# KiCad board Original.kicad_pcb
title: Sinclair QL Gold Card 3; date: 2024-04-14; rev: 0.0; company: Alvaro Alea; note: Based on schematic from tetroid; note: Licensed under Cern OHL-S - https://ohwr.org/cern_ohl_s_v2.txt
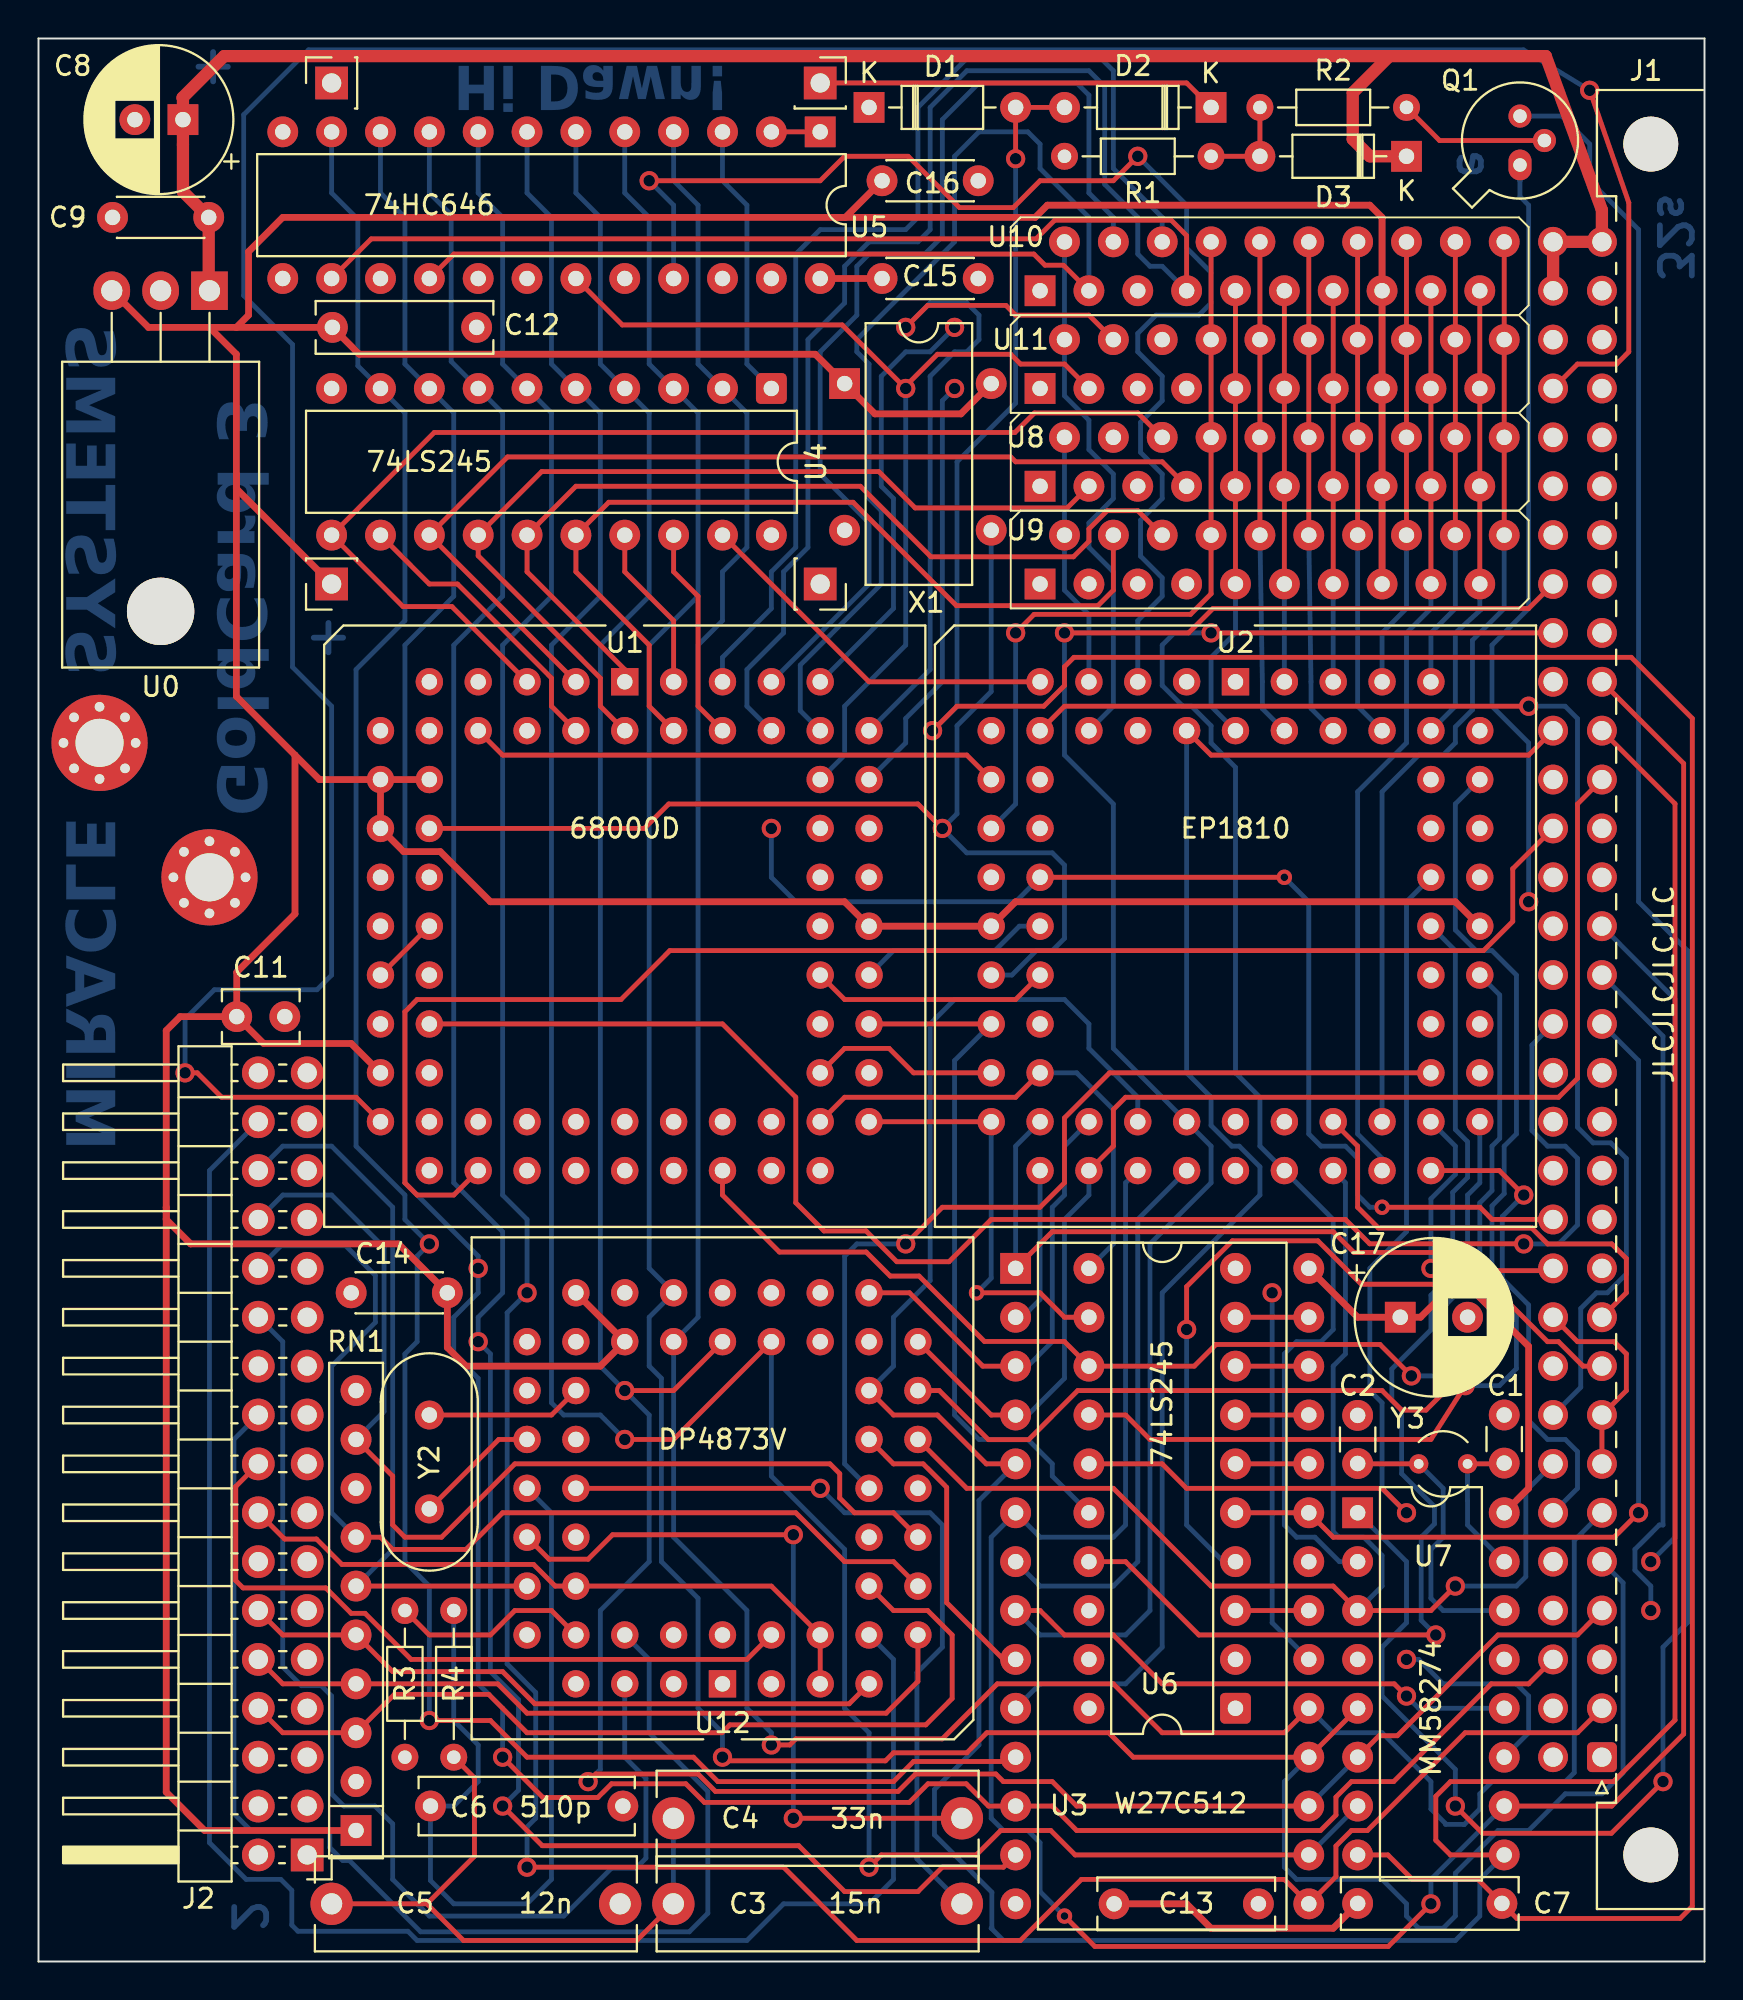
[diagram p0: board, top side]
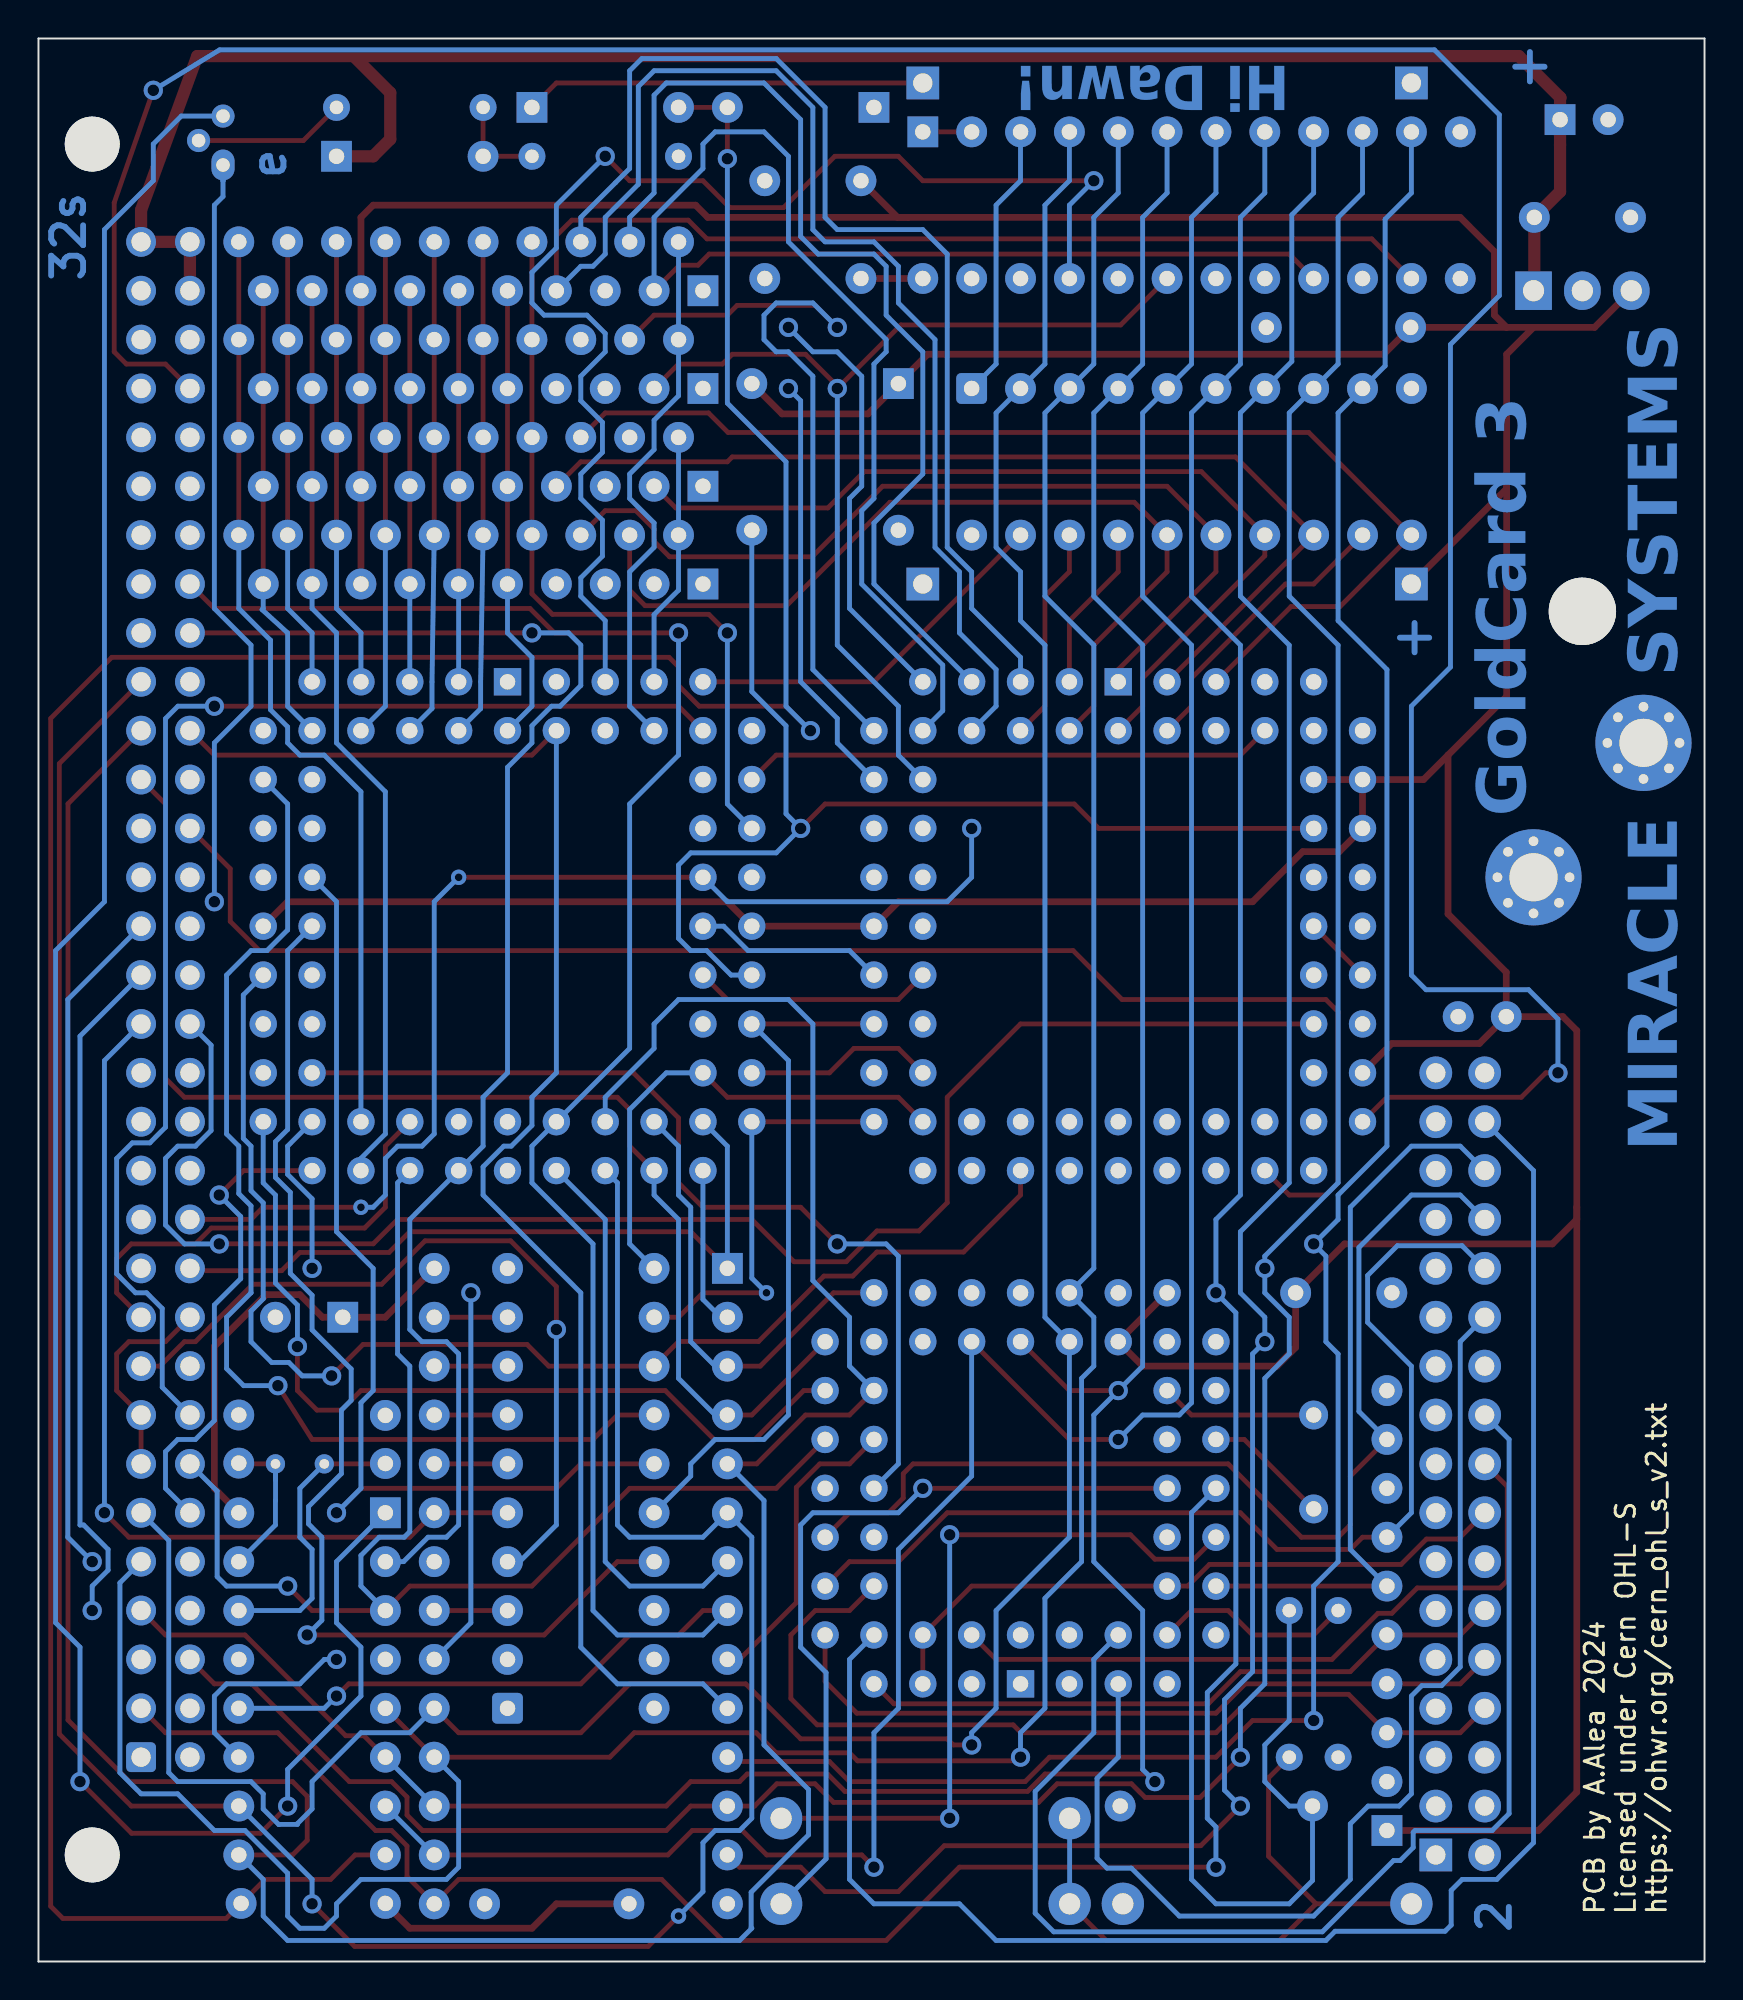
[diagram p1: board, bottom side, seen from below]

Outline 86.61 x 99.92 mm; copper layers: Top, In1.Cu, In2.Cu, Bottom. Coordinates in mm from the lower left corner of the outline.
Outline path: 0,99.92 86.61,99.92 86.61,0 0,0 0,99.92
Stack: Top 0.035mm / dielectric 0.1mm FR4 er 4.5 / In1.Cu 0.035mm / dielectric 1.24mm FR4 er 4.5 / In2.Cu 0.035mm / dielectric 0.1mm FR4 er 4.5 / Bottom 0.035mm

## Placement (name value [footprint] x y rotation side)
C1  22p  [C_Disc_D3.0mm_W1.6mm_P2.50mm]  76.2 25.9 90 top
C2  22p  [C_Disc_D3.0mm_W1.6mm_P2.50mm]  68.58 25.88 90 top
C3  15n  [C_Rect_L16.5mm_W4.7mm_P15.00mm_MKT]  48.01 3 180 top
C4  33n  [C_Rect_L16.5mm_W4.7mm_P15.00mm_MKT]  48.01 7.44 180 top
C5  12n  [C_Rect_L16.5mm_W4.7mm_P15.00mm_MKT]  15.24 3 0 top
C6  510p  [C_Rect_L11.0mm_W2.8mm_P10.00mm_MKT]  20.38 8.08 0 top
C7  100n  [C_Rect_L9.0mm_W2.5mm_P7.50mm_MKT]  68.58 3.02 0 top
C8  C_Polarized  [CP_Radial_D7.5mm_P2.50mm]  7.51 95.71 180 top
C9  330n  [C_Disc_D4.3mm_W1.9mm_P5.00mm]  8.85 90.63 180 top
C11  C330n  [C_Disc_D3.8mm_W2.6mm_P2.50mm]  10.31 49.1 0 top
C12  C330n  [C_Rect_L9.0mm_W2.5mm_P7.50mm_MKT]  15.28 84.91 0 top
C13  C330n  [C_Rect_L9.0mm_W2.5mm_P7.50mm_MKT]  55.92 3 0 top
C14  C330n  [C_Disc_D4.3mm_W1.9mm_P5.00mm]  21.26 34.75 180 top
C15  C330n  [C_Disc_D4.3mm_W1.9mm_P5.00mm]  43.85 87.45 0 top
C16  330n  [C_Disc_D4.3mm_W1.9mm_P5.00mm]  43.85 92.53 0 top
C17  C_Polarized  [CP_Radial_D8.0mm_P3.50mm]  70.79 33.48 0 top
D1  BAT42  [D_DO-35_SOD27_P7.62mm_Horizontal]  43.18 96.34 0 top
D2  BAT42  [D_DO-35_SOD27_P7.62mm_Horizontal]  60.96 96.34 180 top
D3  BAT42  [D_DO-35_SOD27_P7.62mm_Horizontal]  71.12 93.8 180 top
H1  MountingHole_Pad  [MountingHole_2.5mm_Pad_Via]  3.18 63.32 0 top
H2  MountingHole_Pad  [MountingHole_2.5mm_Pad_Via]  8.89 56.34 0 top
J1  QL_SLOT_DIN41612  [DIN41612_B_2x32_Female_Horizontal_THT]  81.28 10.62 270 top
J2  Conn_02x17_Odd_Even  [PinHeader_2x17_P2.54mm_Horizontal]  13.97 5.54 180 top
J3  -  [PinSocket_1x01_P2.54mm_Vertical]  40.64 97.61 0 top
J4  +  [PinSocket_1x01_P2.54mm_Vertical]  15.24 71.58 180 top
J5  nc  [PinSocket_1x01_P2.54mm_Vertical]  40.64 71.58 270 top
J6  nc  [PinSocket_1x01_P2.54mm_Vertical]  15.24 97.61 90 top
Q1  BC548  [TO-18-3]  77.02 93.35 90 top
R1  1k  [R_Axial_DIN0204_L3.6mm_D1.6mm_P7.62mm_Horizontal#2]  53.34 93.8 0 top
R2  1k  [R_Axial_DIN0204_L3.6mm_D1.6mm_P7.62mm_Horizontal#2]  63.5 96.34 0 top
R3  5K6  [R_Axial_DIN0204_L3.6mm_D1.6mm_P7.62mm_Horizontal]  19.05 18.24 270 top
R4  560  [R_Axial_DIN0204_L3.6mm_D1.6mm_P7.62mm_Horizontal#2]  21.59 18.24 270 top
RN1  9x1K  [R_Array_SIP10]  16.51 6.81 90 top
U0  LM340T-5  [TO-220-3_Horizontal_TabDown]  8.89 86.82 180 top
U1  68000D  [PLCC-68_THT-Socket]  30.48 66.5 0 top
U2  EP1810  [PLCC-68_THT-Socket]  62.23 66.5 0 top
U3  W27C512  [DIP-28_W15.24mm]  50.8 36.02 0 top
U4  74LS245  [DIP-20_W7.62mm]  38.1 81.74 270 top
U5  74HC646  [DIP-24_W7.62mm]  40.64 95.07 270 top
U6  74LS245  [DIP-20_W7.62mm]  62.23 13.16 180 top
U7  MM58274  [DIP-16_W7.62mm]  68.58 23.32 0 top
U8  MSM514400D  [ZIP-20_W5.08mm]  52.07 76.66 90 top
U9  MSM514400D  [ZIP-20_W5.08mm]  52.07 71.58 90 top
U10  MSM514400D  [ZIP-20_W5.08mm]  52.07 86.82 90 top
U11  MSM514400D  [ZIP-20_W5.08mm]  52.07 81.74 90 top
U12  DP4873V  [PLCC-52_THT-Socket]  35.56 14.43 180 top
X1  CXO_DIP8  [Oscillator_SeikoEpson_SG-8002DC]  41.91 81.99 0 top
Y2  Crystal  [Crystal_HC49-U_Vertical]  20.32 28.4 270 top
Y3  32768Hz  [Crystal_AT310_D3.0mm_L10.0mm_Vertical]  71.75 25.86 0 top

## Library data of the parts
C1-C7 C9 C11-C16 = -: ki_fp_filters: C_*
C8 C17 = -: ki_fp_filters: CP_*
D1-D3 = -: Datasheet: http://www.vishay.com/docs/85660/bat42.pdf; ki_fp_filters: D*DO?35*
H1 H2 = -: ki_fp_filters: MountingHole*Pad*
J1 = -: ki_fp_filters: DIN41612*2x*
J2 = -: ki_fp_filters: Connector*:*_2x??_*
J3-J6 = -: ki_fp_filters: Connector*:*_1x??_*
Q1 = -: Datasheet: http://www.farnell.com/datasheets/296634.pdf; ki_fp_filters: TO?18*
R1-R4 = -: ki_fp_filters: R_*
RN1 = -: Datasheet: http://www.vishay.com/docs/31509/csc.pdf; ki_fp_filters: R?Array?SIP*
U0 = -: Datasheet: http://www.st.com/content/ccc/resource/technical/document/datasheet/41/4f/b3/b0/12/d4/47/88/CD00000444.pdf/files/CD00000444.pdf/jcr:content/translations/en.CD00000444.pdf; ki_fp_filters: TO?252* TO?263* TO?220*
U1 = -: Datasheet: https://www.nxp.com/docs/en/reference-manual/MC68000UM.pdf; ki_fp_filters: PLCC*
U4 U6 = -: Datasheet: http://www.ti.com/lit/gpn/sn74LS245; ki_fp_filters: DIP?20*
U7 = -: ki_fp_filters: DIP*W15.24mm*
U12 = -: Description: Floppy Disc Controller; ki_fp_filters: DIP*W15.24mm*
X1 = -: Datasheet: http://cdn-reichelt.de/documents/datenblatt/B400/OSZI.pdf; ki_fp_filters: Oscillator*DIP*8*
Y2 Y3 = -: ki_fp_filters: Crystal*

## Footprints (pads in the part's own frame, mm; a bottom-side part is the same pattern mirrored in y, then rotated)
C_Disc_D3.0mm_W1.6mm_P2.50mm
  round 1.6 hole 0.8: 1(0,0) 2(2.5,0)
C_Disc_D3.8mm_W2.6mm_P2.50mm
  round 1.6 hole 0.8: 1(0,0) 2(2.5,0)
C_Disc_D4.3mm_W1.9mm_P5.00mm
  round 1.6 hole 0.8: 1(0,0) 2(5,0)
C_Rect_L9.0mm_W2.5mm_P7.50mm_MKT
  round 1.6 hole 0.8: 1(0,0) 2(7.5,0)
C_Rect_L11.0mm_W2.8mm_P10.00mm_MKT
  round 1.6 hole 0.8: 1(0,0) 2(10,0)
C_Rect_L16.5mm_W4.7mm_P15.00mm_MKT
  round 2.2 hole 1.1: 1(0,0) 2(15,0)
CP_Radial_D7.5mm_P2.50mm
  rect 1.6x1.6 hole 0.8: 1(0,0)
  round 1.6 hole 0.8: 2(2.5,0)
CP_Radial_D8.0mm_P3.50mm
  rect 1.6x1.6 hole 0.8: 1(0,0)
  round 1.6 hole 0.8: 2(3.5,0)
Crystal_AT310_D3.0mm_L10.0mm_Vertical
  round 1 hole 0.5: 1(0,0) 2(2.54,0)
Crystal_HC49-U_Vertical
  round 1.5 hole 0.8: 1(0,0) 2(4.88,0)
D_DO-35_SOD27_P7.62mm_Horizontal
  rect 1.6x1.6 hole 0.8: 1(0,0)
  oval 1.6x1.6 hole 0.8: 2(7.62,0)
DIN41612_B_2x32_Female_Horizontal_THT
  round 2.85 hole 2.85 unplated: (-83.82,2.54) (5.08,2.54)
  rrect 1.55x1.55 hole 1: a1(0,0)
  round 1.55 hole 1: a2(-2.54,0) a3(-5.08,0) a4(-7.62,0) a5(-10.16,0) a6(-12.7,0) a7(-15.24,0) a8(-17.78,0) a9(-20.32,0) a10(-22.86,0) a11(-25.4,0) a12(-27.94,0) a13(-30.48,0) a14(-33.02,0) a15(-35.56,0) a16(-38.1,0) a17(-40.64,0) a18(-43.18,0) a19(-45.72,0) a20(-48.26,0) a21(-50.8,0) a22(-53.34,0) a23(-55.88,0) a24(-58.42,0) a25(-60.96,0) a26(-63.5,0) a27(-66.04,0) a28(-68.58,0) a29(-71.12,0) a30(-73.66,0) a31(-76.2,0) a32(-78.74,0) b1(0,-2.54) b2(-2.54,-2.54) b3(-5.08,-2.54) b4(-7.62,-2.54) b5(-10.16,-2.54) b6(-12.7,-2.54) b7(-15.24,-2.54) b8(-17.78,-2.54) b9(-20.32,-2.54) b10(-22.86,-2.54) b11(-25.4,-2.54) b12(-27.94,-2.54) b13(-30.48,-2.54) b14(-33.02,-2.54) b15(-35.56,-2.54) b16(-38.1,-2.54) b17(-40.64,-2.54) b18(-43.18,-2.54) b19(-45.72,-2.54) b20(-48.26,-2.54) b21(-50.8,-2.54) b22(-53.34,-2.54) b23(-55.88,-2.54) b24(-58.42,-2.54) b25(-60.96,-2.54) b26(-63.5,-2.54) b27(-66.04,-2.54) b28(-68.58,-2.54) b29(-71.12,-2.54) b30(-73.66,-2.54) b31(-76.2,-2.54) b32(-78.74,-2.54)
DIP-16_W7.62mm
  rect 1.6x1.6 hole 0.8: 1(0,0)
  oval 1.6x1.6 hole 0.8: 2(0,-2.54) 3(0,-5.08) 4(0,-7.62) 5(0,-10.16) 6(0,-12.7) 7(0,-15.24) 8(0,-17.78) 9(7.62,-17.78) 10(7.62,-15.24) 11(7.62,-12.7) 12(7.62,-10.16) 13(7.62,-7.62) 14(7.62,-5.08) 15(7.62,-2.54) 16(7.62,0)
DIP-20_W7.62mm
  rrect 1.6x1.6 hole 0.8: 1(0,0)
  round 1.6 hole 0.8: 2(0,-2.54) 3(0,-5.08) 4(0,-7.62) 5(0,-10.16) 6(0,-12.7) 7(0,-15.24) 8(0,-17.78) 9(0,-20.32) 10(0,-22.86) 11(7.62,-22.86) 12(7.62,-20.32) 13(7.62,-17.78) 14(7.62,-15.24) 15(7.62,-12.7) 16(7.62,-10.16) 17(7.62,-7.62) 18(7.62,-5.08) 19(7.62,-2.54) 20(7.62,0)
DIP-24_W7.62mm
  rect 1.6x1.6 hole 0.8: 1(0,0)
  oval 1.6x1.6 hole 0.8: 2(0,-2.54) 3(0,-5.08) 4(0,-7.62) 5(0,-10.16) 6(0,-12.7) 7(0,-15.24) 8(0,-17.78) 9(0,-20.32) 10(0,-22.86) 11(0,-25.4) 12(0,-27.94) 13(7.62,-27.94) 14(7.62,-25.4) 15(7.62,-22.86) 16(7.62,-20.32) 17(7.62,-17.78) 18(7.62,-15.24) 19(7.62,-12.7) 20(7.62,-10.16) 21(7.62,-7.62) 22(7.62,-5.08) 23(7.62,-2.54) 24(7.62,0)
DIP-28_W15.24mm
  rect 1.6x1.6 hole 0.8: 1(0,0)
  oval 1.6x1.6 hole 0.8: 2(0,-2.54) 3(0,-5.08) 4(0,-7.62) 5(0,-10.16) 6(0,-12.7) 7(0,-15.24) 8(0,-17.78) 9(0,-20.32) 10(0,-22.86) 11(0,-25.4) 12(0,-27.94) 13(0,-30.48) 14(0,-33.02) 15(15.24,-33.02) 16(15.24,-30.48) 17(15.24,-27.94) 18(15.24,-25.4) 19(15.24,-22.86) 20(15.24,-20.32) 21(15.24,-17.78) 22(15.24,-15.24) 23(15.24,-12.7) 24(15.24,-10.16) 25(15.24,-7.62) 26(15.24,-5.08) 27(15.24,-2.54) 28(15.24,0)
MountingHole_2.5mm_Pad_Via
  round 0.8 hole 0.5: 1(-1.875,0) 1(-1.326,1.326) 1(-1.326,-1.326) 1(0,1.875) 1(0,-1.875) 1(1.326,1.326) 1(1.326,-1.326) 1(1.875,0)
  round 5 hole 2.5: 1(0,0)
Oscillator_SeikoEpson_SG-8002DC
  rect 1.6x1.6 hole 0.8: 1(0,0)
  oval 1.6x1.6 hole 0.8: 4(0,-7.62) 5(7.62,-7.62) 8(7.62,0)
PinHeader_2x17_P2.54mm_Horizontal
  rect 1.7x1.7 hole 1: 1(0,0)
  round 1.7 hole 1: 2(2.54,0) 3(0,-2.54) 4(2.54,-2.54) 5(0,-5.08) 6(2.54,-5.08) 7(0,-7.62) 8(2.54,-7.62) 9(0,-10.16) 10(2.54,-10.16) 11(0,-12.7) 12(2.54,-12.7) 13(0,-15.24) 14(2.54,-15.24) 15(0,-17.78) 16(2.54,-17.78) 17(0,-20.32) 18(2.54,-20.32) 19(0,-22.86) 20(2.54,-22.86) 21(0,-25.4) 22(2.54,-25.4) 23(0,-27.94) 24(2.54,-27.94) 25(0,-30.48) 26(2.54,-30.48) 27(0,-33.02) 28(2.54,-33.02) 29(0,-35.56) 30(2.54,-35.56) 31(0,-38.1) 32(2.54,-38.1) 33(0,-40.64) 34(2.54,-40.64)
PinSocket_1x01_P2.54mm_Vertical
  rect 1.7x1.7 hole 1: 1(0,0)
PLCC-52_THT-Socket
  rect 1.422x1.422 hole 0.8: 1(0,0)
  round 1.422 hole 0.8: 2(0,-2.54) 3(-2.54,0) 4(-2.54,-2.54) 5(-5.08,0) 6(-5.08,-2.54) 7(-7.62,0) 8(-10.16,-2.54) 9(-7.62,-2.54) 10(-10.16,-5.08) 11(-7.62,-5.08) 12(-10.16,-7.62) 13(-7.62,-7.62) 14(-10.16,-10.16) 15(-7.62,-10.16) 16(-10.16,-12.7) 17(-7.62,-12.7) 18(-10.16,-15.24) 19(-7.62,-15.24) 20(-10.16,-17.78) 21(-7.62,-20.32) 22(-7.62,-17.78) 23(-5.08,-20.32) 24(-5.08,-17.78) 25(-2.54,-20.32) 26(-2.54,-17.78) 27(0,-20.32) 28(0,-17.78) 29(2.54,-20.32) 30(2.54,-17.78) 31(5.08,-20.32) 32(5.08,-17.78) 33(7.62,-20.32) 34(10.16,-17.78) 35(7.62,-17.78) 36(10.16,-15.24) 37(7.62,-15.24) 38(10.16,-12.7) 39(7.62,-12.7) 40(10.16,-10.16) 41(7.62,-10.16) 42(10.16,-7.62) 43(7.62,-7.62) 44(10.16,-5.08) 45(7.62,-5.08) 46(10.16,-2.54) 47(7.62,0) 48(7.62,-2.54) 49(5.08,0) 50(5.08,-2.54) 51(2.54,0) 52(2.54,-2.54)
PLCC-68_THT-Socket
  rect 1.422x1.422 hole 0.8: 1(0,0)
  round 1.422 hole 0.8: 2(0,-2.54) 3(-2.54,0) 4(-2.54,-2.54) 5(-5.08,0) 6(-5.08,-2.54) 7(-7.62,0) 8(-7.62,-2.54) 9(-10.16,0) 10(-12.7,-2.54) 11(-10.16,-2.54) 12(-12.7,-5.08) 13(-10.16,-5.08) 14(-12.7,-7.62) 15(-10.16,-7.62) 16(-12.7,-10.16) 17(-10.16,-10.16) 18(-12.7,-12.7) 19(-10.16,-12.7) 20(-12.7,-15.24) 21(-10.16,-15.24) 22(-12.7,-17.78) 23(-10.16,-17.78) 24(-12.7,-20.32) 25(-10.16,-20.32) 26(-12.7,-22.86) 27(-10.16,-25.4) 28(-10.16,-22.86) 29(-7.62,-25.4) 30(-7.62,-22.86) 31(-5.08,-25.4) 32(-5.08,-22.86) 33(-2.54,-25.4) 34(-2.54,-22.86) 35(0,-25.4) 36(0,-22.86) 37(2.54,-25.4) 38(2.54,-22.86) 39(5.08,-25.4) 40(5.08,-22.86) 41(7.62,-25.4) 42(7.62,-22.86) 43(10.16,-25.4) 44(12.7,-22.86) 45(10.16,-22.86) 46(12.7,-20.32) 47(10.16,-20.32) 48(12.7,-17.78) 49(10.16,-17.78) 50(12.7,-15.24) 51(10.16,-15.24) 52(12.7,-12.7) 53(10.16,-12.7) 54(12.7,-10.16) 55(10.16,-10.16) 56(12.7,-7.62) 57(10.16,-7.62) 58(12.7,-5.08) 59(10.16,-5.08) 60(12.7,-2.54) 61(10.16,0) 62(10.16,-2.54) 63(7.62,0) 64(7.62,-2.54) 65(5.08,0) 66(5.08,-2.54) 67(2.54,0) 68(2.54,-2.54)
R_Array_SIP10
  rect 1.6x1.6 hole 0.8: 1(0,0)
  oval 1.6x1.6 hole 0.8: 2(2.54,0) 3(5.08,0) 4(7.62,0) 5(10.16,0) 6(12.7,0) 7(15.24,0) 8(17.78,0) 9(20.32,0) 10(22.86,0)
R_Axial_DIN0204_L3.6mm_D1.6mm_P7.62mm_Horizontal
  round 1.4 hole 0.7: 1(0,0) 2(7.62,0)
R_Axial_DIN0204_L3.6mm_D1.6mm_P7.62mm_Horizontal#2
  round 1.4 hole 0.7: 1(0,0)
  oval 1.4x1.4 hole 0.7: 2(7.62,0)
TO-18-3
  oval 1.6x1.2 hole 0.7: 1(0,0)
  oval 1.2x1.2 hole 0.7: 2(1.27,-1.27) 3(2.54,0)
TO-220-3_Horizontal_TabDown
  oval 3.5x3.5 hole 3.5 unplated: (2.54,16.66)
  rect 1.905x2 hole 1.1: 1(0,0)
  oval 1.905x2 hole 1.1: 2(2.54,0) 3(5.08,0)
ZIP-20_W5.08mm
  rect 1.6x1.6 hole 0.8: 1(0,0)
  round 1.6 hole 0.8: 2(2.54,-1.27) 3(0,-2.54) 4(2.54,-3.81) 5(0,-5.08) 6(2.54,-6.35) 7(0,-7.62) 8(2.54,-8.89) 9(0,-10.16) 10(2.54,-11.43) 11(0,-12.7) 12(2.54,-13.97) 13(0,-15.24) 14(2.54,-16.51) 15(0,-17.78) 16(2.54,-19.05) 17(0,-20.32) 18(2.54,-21.59) 19(0,-22.86) 20(2.54,-24.13)

## Nets
+5V: C7.1 C11.1 C12.1 C13.1 C14.1 C15.1 C16.1 C17.1 J4.1 RN1.1 U0.3 U1.12 U1.13 U1.14 U1.24 U1.52 U2.18 U2.52 U3.28 U4.20 U5.24 U6.20 U7.16 U8.15 U9.15 U10.15 U11.15 U12.13 U12.14 U12.32 U12.33 X1.1 X1.8
+9V: C8.1 C9.1 D3.1 J1.a32 J1.b31 J1.b32 U0.1
GND: C1.2 C2.2 C5.2 C6.2 C8.2 C9.2 C11.2 C12.2 C13.2 C14.2 C15.2 C16.2 C17.2 D1.1 H1.1 H2.1 J1.a1 J1.a7 J1.a8 J1.a26 J1.a28 J1.a29 J1.b1 J1.b10 J1.b26 J2.1 J2.3 J2.5 J2.7 J2.9 J2.11 J2.13 J2.15 J2.17 J2.19 J2.21 J2.23 J2.25 J2.27 J2.29 J2.31 J2.33 R1.1 R3.2 U0.2 U1.16 U1.17 U1.56 U1.57 U2.1 U2.35 U3.14 U3.22 U4.10 U5.12 U5.22 U5.23 U6.1 U6.10 U6.18 U6.19 U8.1 U8.5 U9.1 U9.5 U10.1 U10.5 U11.1 U11.5 U12.2 U12.27 U12.36 U12.39 U12.46 U12.47 X1.4
/16MHZ: U1.15 U2.20 X1.5
/A0: J1.b22 U2.4 U3.10
/A1: J1.b24 U2.37 U3.9 U7.2 U12.17
/A2: J1.b25 U2.34 U3.8 U7.12
/A3: J1.a24 U2.33 U3.7 U7.11
/A4: J1.a23 U2.31 U3.6 U7.10
/A5: J1.a22 U2.32 U3.5 U7.9 U12.19
/A6: J1.a21 U2.29 U3.4 U12.20
/A7: J1.a20 U2.30 U3.3 U12.21
/A8: J1.a19 U3.25 U6.7
/A9: J1.a18 U3.24 U6.6
/A10: J1.a17 U3.21 U6.3
/A11: J1.a16 U3.23 U6.5
/A12: J1.a15 U2.27 U3.2
/A13: J1.a14 U3.26 U6.8
/A14: J1.a13 U3.27 U6.9
/A15: J1.b11 U2.28 U3.1
/A16: J1.a10 U2.40
/A17: J1.a9 U6.4
/AG1: U1.32 U2.36
/AG2: U1.33 U2.48
/AG3: U1.34 U2.15
/AG4: U1.35 U2.49
/AG5: U1.36 U2.16
/AG6: U1.37 U2.51
/AG7: U1.38 U2.59
/AG8: U1.39 U2.50 U6.13
/AG9: U1.40 U2.58 U6.14
/AG10: U1.41 U2.53 U6.17
/AG11: U1.42 U2.55 U6.15
/AG12: U1.43 U2.54
/AG13: U1.44 U2.26 U6.12
/AG14: U1.45 U2.25 U6.11
/AG15: U1.46 U2.56
/AG16: U1.47 U2.24
/AG17: U1.48 U2.22 U6.16
/AG18: U1.49 U2.57
/AG19: U1.50 U2.19
/AG20: U1.51 U2.21
/CAS0: U2.7 U8.2 U9.2
/CAS1: U2.8 U10.2 U11.2
/CSROM: U2.45 U3.20
/CSRTC: Q1.1 U2.38
/D0: J1.b4 U3.11 U4.9 U5.11 U12.22
/D1: J1.b3 U3.12 U4.8 U5.10 U12.23
/D2: J1.b2 U3.13 U4.7 U5.9 U12.24
/D3: J1.a2 U3.15 U4.6 U5.8 U12.25
/D4: J1.a3 U3.16 U4.5 U5.7 U7.7 U12.26
/D5: J1.a4 U3.17 U4.4 U5.6 U7.6 U12.28
/D6: J1.a5 U3.18 U4.3 U5.5 U7.5 U12.29
/D7: J1.a6 U3.19 U4.2 U5.4 U7.4 U12.30
/DG0: U1.5 U4.11 U8.6
/DG1: U1.4 U4.12 U8.4
/DG2: U1.3 U4.13 U8.7
/DG3: U1.2 U4.14 U8.3
/DG4: U1.1 U4.15 U9.6
/DG5: U1.68 U4.16 U9.4
/DG6: U1.67 U4.17 U9.7
/DG7: U1.66 U4.18 U9.3
/DG8: U1.65 U5.13 U10.6
/DG9: U1.64 U5.14 U10.7
/DG10: U1.63 U5.15 U10.4
/DG11: U1.62 U5.16 U10.3
/DG12: U1.61 U5.17 U11.6
/DG13: U1.60 U5.18 U11.4
/DG14: U1.59 U5.19 U11.3
/DG15: U1.58 U5.20 U11.7
/DS: J1.b6 U2.43
/DS0: J2.10 RN1.4 U12.8
/DS1: J2.12 RN1.5 U12.7
/DS2: J2.14 RN1.10 U12.1
/DTA: U1.10 U2.3
/DTACK: J1.b8 U2.11
/FC0: J1.b21 U1.30
/FC1: J1.b20 U1.29
/FDC_DIR: J2.18 U12.4
/FDC_HD: J2.32 U12.9
/FDC_IP: J2.8 RN1.3 U12.11
/FDC_RD: J2.30 RN1.6 U12.44
/FDC_STEP: J2.20 U12.50
/FDC_T0: J2.26 RN1.7 U12.10
/FDC_WD: J2.22 U12.3
/FDC_WG: J2.24 U12.49
/FDC_WPRT: J2.28 RN1.9 U12.12
/FDCON_CS: U2.44 U12.18
/IPL0: J1.b27 U1.27
/IPL1: J1.b29 U1.26
/LDS: U1.8 U2.12
/MA0: U2.67 U8.11 U9.11 U10.11 U11.11
/MA1: U2.66 U8.12 U9.12 U10.12 U11.12
/MA2: U2.65 U8.13 U9.13 U10.13 U11.13
/MA3: U2.64 U8.14 U9.14 U10.14 U11.14
/MA4: U2.63 U8.16 U9.16 U10.16 U11.16
/MA5: U2.41 U8.17 U9.17 U10.17 U11.17
/MA6: U2.61 U8.18 U9.18 U10.18 U11.18
/MA7: U2.62 U8.19 U9.19 U10.19 U11.19
/MA8: U2.42 U8.20 U9.20 U10.20 U11.20
/MA9: U2.68 U8.10 U9.10 U10.10 U11.10
/MOTOR_ON: J2.16 U12.5 U12.6 U12.45
/RAS: U2.2 U8.9 U9.9 U10.9 U11.9
/RDH: U2.5 U5.21
/RDL: U2.9 U4.19
/RDW: J1.b7 U2.39 U7.3 U12.16
/RESET: J1.b12 U1.19 U1.20 U2.17
/RESFDC: U2.47 U12.15
/RW: U1.9 U2.14 U4.1 U5.3 U8.8 U9.8 U10.8 U11.8
/UDS: U1.7 U2.10
/VPA: J1.b16 U1.23
/VSYNC: J1.b15 U12.35
/WRH: U2.6 U5.1 U5.2
Net-(C3-Pad2): C3.2 C4.2 C5.1 R4.2
Net-(D1-A): C7.2 D1.2 D2.2 U7.8
Net-(D2-K): D2.1 J3.1
Net-(D3-A): D3.2 R1.2 R2.1
Net-(Q1-B): Q1.2 R2.2
Net-(Q1-C): Q1.3 U7.1
Net-(U7-XTAL_IN): C1.1 U7.15 Y3.2
Net-(U7-XTAL_OUT): C2.1 U7.14 Y3.1
Net-(U12-FE25): C4.1 U12.42
Net-(U12-FE50): C3.1 U12.41
Net-(U12-FILT): C6.1 R4.1 U12.40
Net-(U12-OSC1): U12.38 Y2.2
Net-(U12-OSC2/CLK): U12.37 Y2.1
Net-(U12-SETCU): R3.1 U12.48

Pads without a net: J1 a11 a12 a25 a27 a30 a31 b5 b9 b13 b14 b17 b18 b19 b23 b28 b30; J2 2 4 6 34; J5 1; J6 1; RN1 2 8; U1 6 11 18 21 22 25 28 31 53 54 55; U2 13 23 46 60; U6 2; U7 13; U12 31 34 43 51 52